# Altium PCB REFERENCE.PcbDoc (part 2 of 2) (continued)
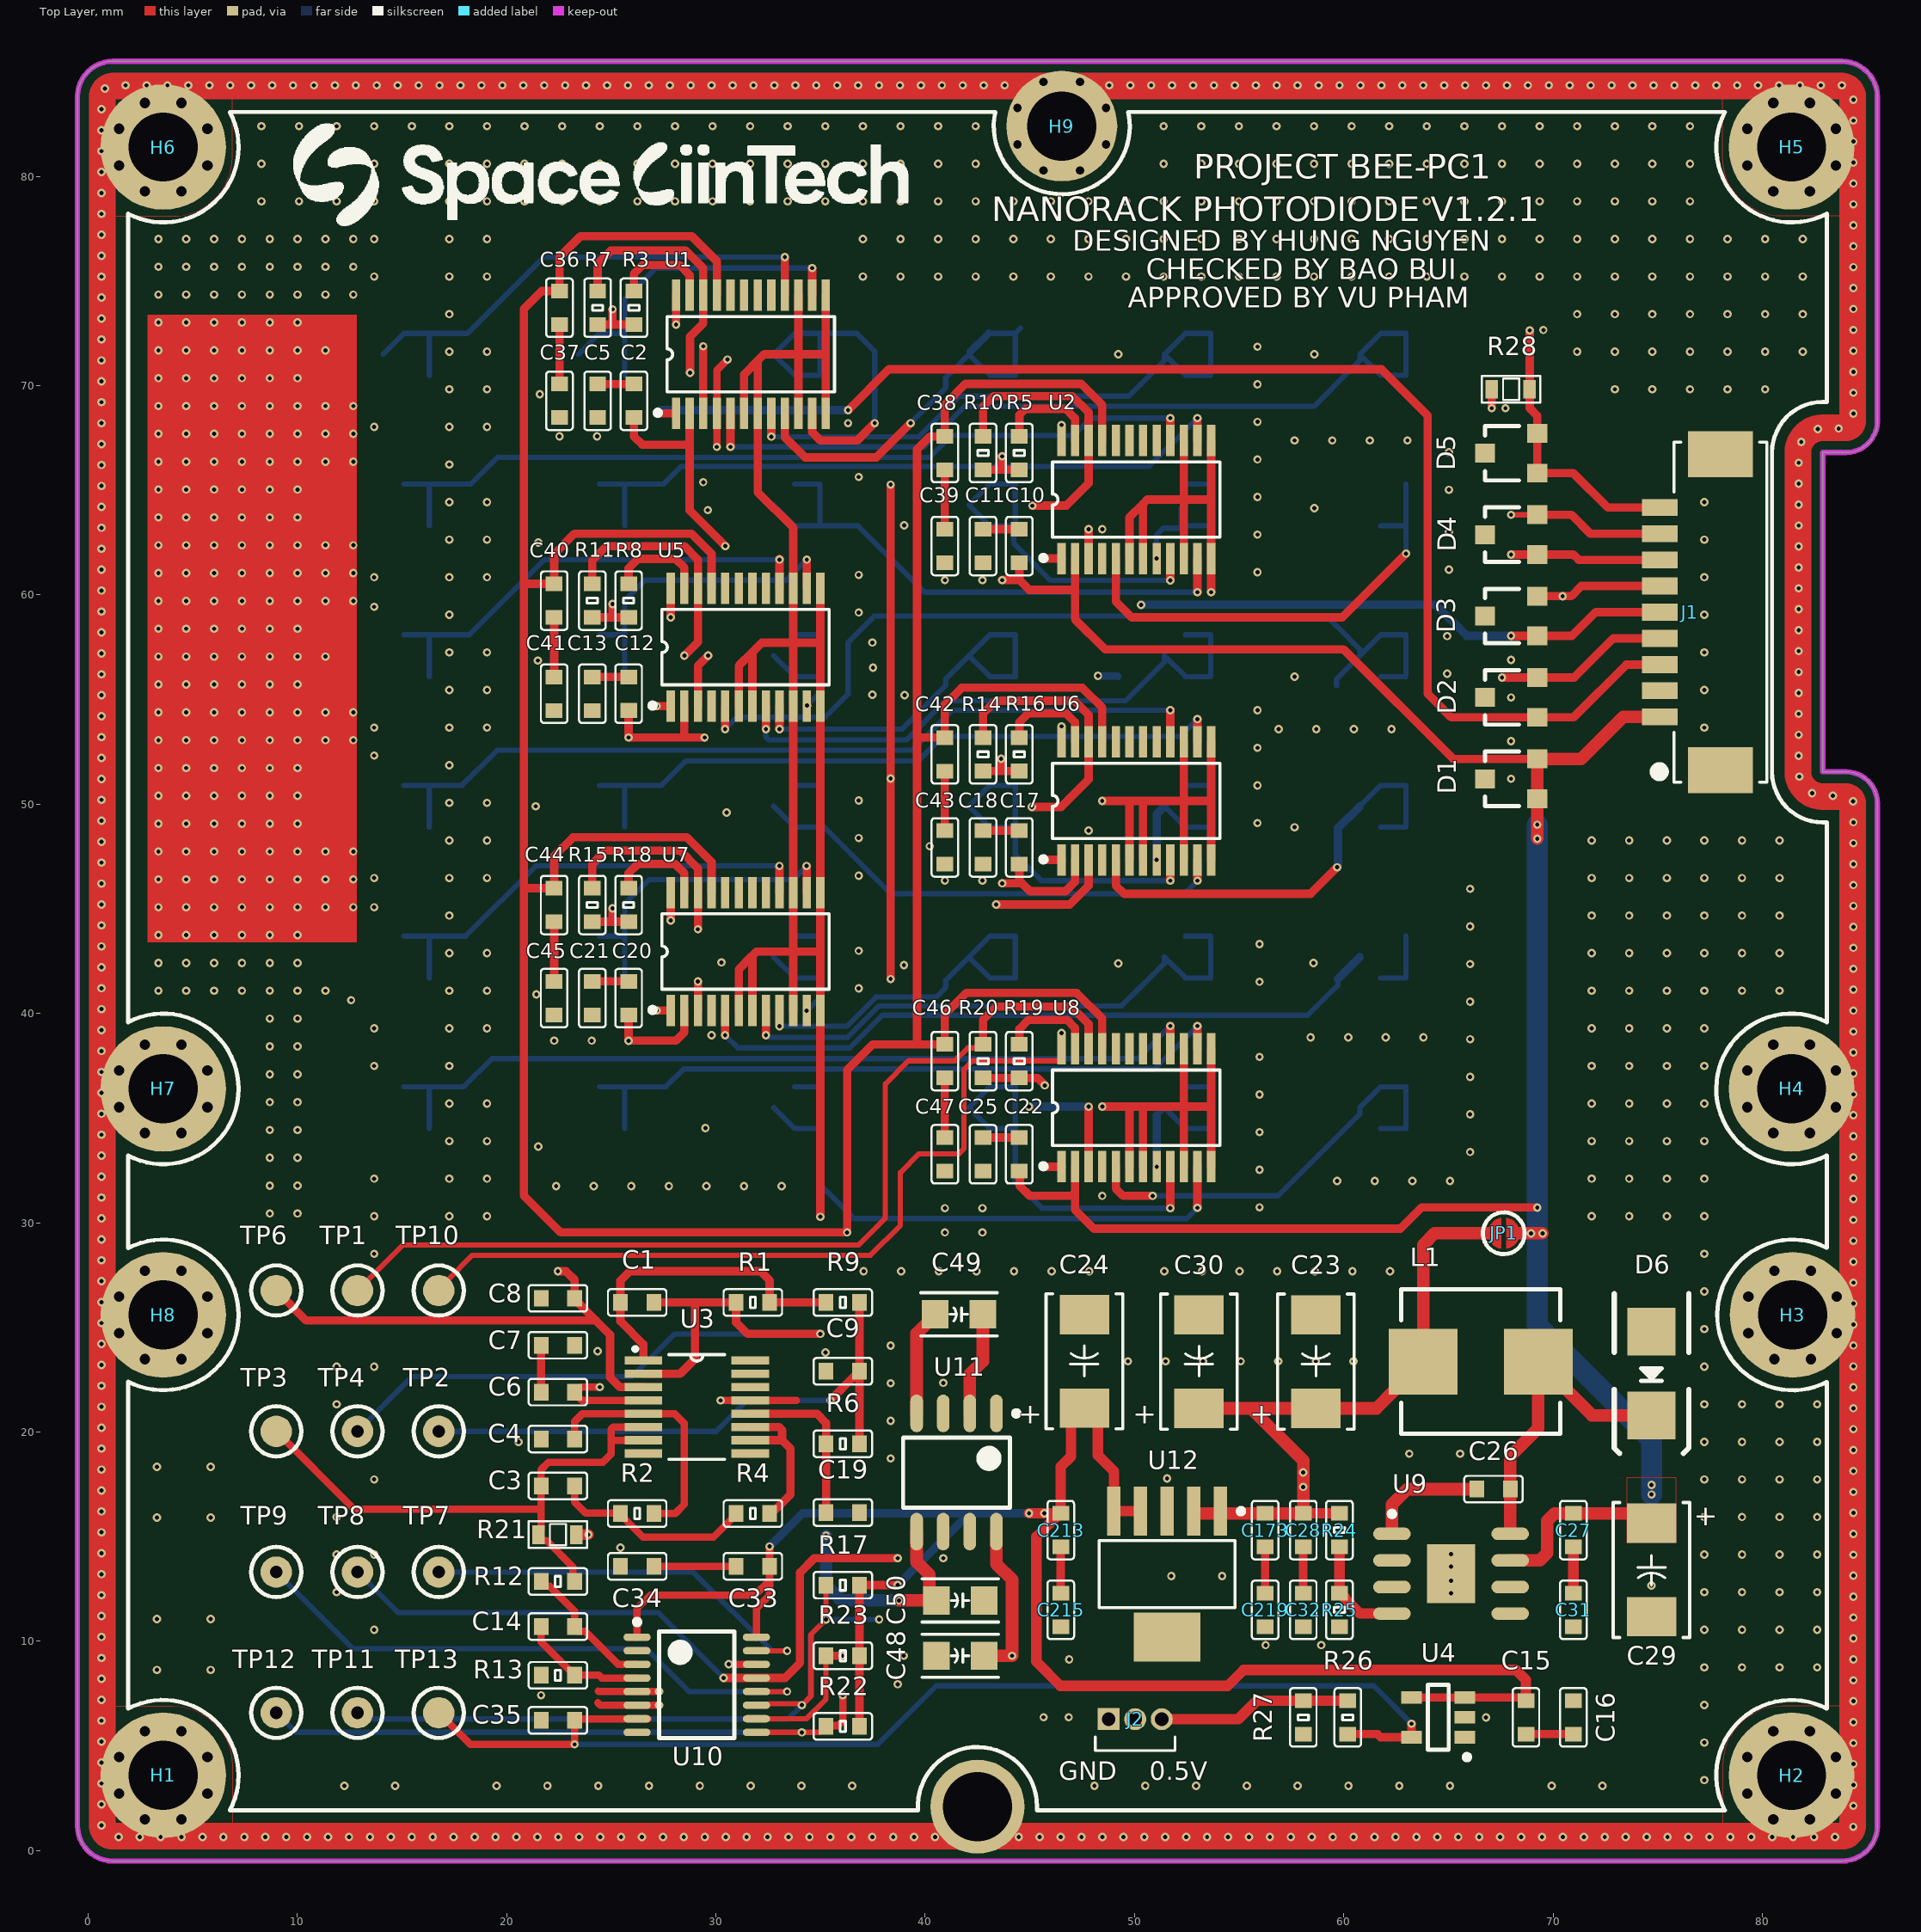
[diagram p0: Top Layer view]
## Nets (pads, with @x,y where several pads share a name; then routed paths per layer and width w, separated by ;. In a path a pad name is that pad's centre, name@x,y a point inside that pad or via, vN(x,y) a via of type N, cw(c..) or ccw(c..) an arc to the next point about the centre after c; other vN are vias at no path point) (continued)
  Mid-Layer 2 w1.27: 0.685,83.794 0.685,82.209 0.685,81.209 0.685,80.209 0.685,79.209 0.685,78.209 0.685,77.209 0.685,76.209 0.685,75.209 0.685,74.209 0.685,73.209 0.685,72.209 0.685,71.209 0.685,70.209 0.685,69.209 0.685,68.209 0.685,67.209 0.685,66.209 0.685,65.209 0.685,64.209 0.685,63.209 0.685,62.209 0.685,61.209 0.685,60.209 0.685,59.209 0.685,58.209 0.685,57.209 0.685,56.209 0.685,55.209 0.685,54.209 0.685,53.209 0.685,52.209 0.685,51.209 0.685,50.209 0.685,49.209 0.685,48.209 0.685,47.209 0.685,46.209 0.685,45.209 0.685,44.209 0.685,43.209 0.685,42.209 0.685,41.209 0.685,40.209 0.685,39.209 0.685,38.209 0.685,37.209 0.685,36.209 0.685,35.209 0.685,34.209 0.685,33.209 0.685,32.209 0.685,31.209 0.685,30.209 0.685,29.209 0.685,28.209 0.685,27.209 0.685,26.209 0.685,25.209 0.685,24.209 0.685,23.209 0.685,22.209 0.685,21.209 0.685,20.209 0.685,19.209 0.685,18.209 0.685,17.209 0.685,16.209 0.685,15.209 0.685,14.209 0.685,13.209 0.685,12.209 0.685,11.209 0.685,10.209 0.685,9.209 0.685,8.209 0.685,7.209 0.685,6.209 0.685,5.209 0.685,4.209 0.685,3.209 0.685,2.209 0.685,1.2 ccw(c1.2,1.2) 1.2,0.685 ; 0.685,83.8 cw(c1.2,83.8) 1.2,84.315 2.802,84.315 3.802,84.315 4.802,84.315 5.802,84.315 6.802,84.315 7.802,84.315 8.802,84.315 9.802,84.315 10.802,84.315 11.802,84.315 12.802,84.315 13.802,84.315 14.802,84.315 15.802,84.315 16.802,84.315 17.802,84.315 18.802,84.315 19.802,84.315 20.802,84.315 21.802,84.315 22.802,84.315 23.802,84.315 24.802,84.315 25.802,84.315 26.802,84.315 27.802,84.315 28.802,84.315 29.802,84.315 30.802,84.315 31.802,84.315 32.802,84.315 33.802,84.315 34.802,84.315 35.802,84.315 36.802,84.315 37.802,84.315 38.802,84.315 39.802,84.315 40.802,84.315 41.802,84.315 42.802,84.315 43.802,84.315 44.802,84.315 45.655,84.315 46.53,84.315 47.405,84.315 48.802,84.315 49.802,84.315 50.802,84.315 51.802,84.315 52.802,84.315 53.802,84.315 54.802,84.315 55.802,84.315 56.802,84.315 57.802,84.315 58.802,84.315 59.802,84.315 60.802,84.315 61.802,84.315 62.802,84.315 63.802,84.315 64.802,84.315 65.802,84.315 66.802,84.315 67.802,84.315 68.802,84.315 69.802,84.315 70.802,84.315 71.802,84.315 72.802,84.315 73.802,84.315 74.802,84.315 75.802,84.315 76.802,84.315 77.802,84.315 78.802,84.315 79.802,84.315 80.802,84.315 81.802,84.315 82.802,84.315 v2@83.794,84.315 ; 1.206,0.685 2.475,0.685 3.475,0.685 4.475,0.685 5.475,0.685 6.475,0.685 7.475,0.685 8.475,0.685 9.475,0.685 10.475,0.685 11.475,0.685 12.475,0.685 13.475,0.685 14.475,0.685 15.475,0.685 16.475,0.685 17.475,0.685 18.474,0.685 19.474,0.685 20.474,0.685 21.474,0.685 22.474,0.685 23.474,0.685 24.474,0.685 25.474,0.685 26.474,0.685 27.474,0.685 28.474,0.685 29.474,0.685 30.474,0.685 31.474,0.685 32.474,0.685 33.474,0.685 34.474,0.685 35.474,0.685 36.474,0.685 37.474,0.685 38.474,0.685 39.474,0.685 40.474,0.685 42.5,0.685 44.474,0.685 45.474,0.685 46.474,0.685 47.474,0.685 48.474,0.685 49.474,0.685 50.474,0.685 51.474,0.685 52.474,0.685 53.474,0.685 54.474,0.685 55.474,0.685 56.474,0.685 57.474,0.685 58.474,0.685 59.474,0.685 60.474,0.685 61.474,0.685 62.474,0.685 63.474,0.685 64.474,0.685 65.474,0.685 66.474,0.685 67.474,0.685 68.474,0.685 69.474,0.685 70.474,0.685 71.474,0.685 72.474,0.685 73.474,0.685 74.474,0.685 75.474,0.685 76.474,0.685 77.474,0.685 78.474,0.685 79.474,0.685 80.474,0.685 81.474,0.685 82.474,0.685 83.8,0.685 ccw(c83.8,1.2) v2@84.315,1.2 ; v2@83.8,84.315 cw(c83.8,83.8) 84.315,83.8 84.315,82.665 84.315,81.665 84.315,80.665 84.315,79.665 84.315,78.665 84.315,77.665 84.315,76.665 84.315,75.665 84.315,74.665 84.315,73.665 84.315,72.665 84.315,71.665 84.315,70.665 84.315,69.665 84.315,68.31 ; v2@84.315,1.204 84.315,2.139 84.315,3.139 84.315,4.139 84.315,5.139 84.315,6.139 84.315,7.139 84.315,8.139 84.315,9.139 84.315,10.139 84.315,11.139 84.315,12.139 84.315,13.139 84.315,14.139 84.315,15.139 84.315,16.139 84.315,17.139 84.315,18.139 84.315,19.139 84.315,20.139 84.315,21.139 84.315,22.139 84.315,23.139 84.315,24.139 84.315,25.139 84.315,26.139 84.315,27.139 84.315,28.139 84.315,29.139 84.315,30.139 84.315,31.139 84.315,32.139 84.315,33.139 84.315,34.139 84.315,35.139 84.315,36.139 84.315,37.139 84.315,38.139 84.315,39.139 84.315,40.139 84.315,41.139 84.315,42.139 84.315,43.139 84.315,44.139 84.315,45.139 84.315,46.139 84.315,47.139 84.315,48.139 84.315,49.139 84.315,50.05 ccw(c84,50.05) 84,50.365 82.886,50.365 cw(c82.886,51.55) 81.701,51.55 81.701,52.316 81.701,53.316 81.701,54.316 81.701,55.316 81.701,56.316 81.701,57.316 81.701,58.316 81.701,59.316 81.701,60.316 81.701,61.316 81.701,62.316 81.701,63.316 81.701,64.316 81.701,65.316 81.701,66.806 cw(c82.886,66.806) 82.886,67.991 84,67.991 ccw(c84,68.306) 84.315,68.306
  Bottom Layer w1.27: 0.685,83.794 0.685,82.209 0.685,81.209 0.685,80.209 0.685,79.209 0.685,78.209 0.685,77.209 0.685,76.209 0.685,75.209 0.685,74.209 0.685,73.209 0.685,72.209 0.685,71.209 0.685,70.209 0.685,69.209 0.685,68.209 0.685,67.209 0.685,66.209 0.685,65.209 0.685,64.209 0.685,63.209 0.685,62.209 0.685,61.209 0.685,60.209 0.685,59.209 0.685,58.209 0.685,57.209 0.685,56.209 0.685,55.209 0.685,54.209 0.685,53.209 0.685,52.209 0.685,51.209 0.685,50.209 0.685,49.209 0.685,48.209 0.685,47.209 0.685,46.209 0.685,45.209 0.685,44.209 0.685,43.209 0.685,42.209 0.685,41.209 0.685,40.209 0.685,39.209 0.685,38.209 0.685,37.209 0.685,36.209 0.685,35.209 0.685,34.209 0.685,33.209 0.685,32.209 0.685,31.209 0.685,30.209 0.685,29.209 0.685,28.209 0.685,27.209 0.685,26.209 0.685,25.209 0.685,24.209 0.685,23.209 0.685,22.209 0.685,21.209 0.685,20.209 0.685,19.209 0.685,18.209 0.685,17.209 0.685,16.209 0.685,15.209 0.685,14.209 0.685,13.209 0.685,12.209 0.685,11.209 0.685,10.209 0.685,9.209 0.685,8.209 0.685,7.209 0.685,6.209 0.685,5.209 0.685,4.209 0.685,3.209 0.685,2.209 0.685,1.2 ccw(c1.2,1.2) 1.2,0.685 ; 0.685,83.8 cw(c1.2,83.8) 1.2,84.315 2.802,84.315 3.802,84.315 4.802,84.315 5.802,84.315 6.802,84.315 7.802,84.315 8.802,84.315 9.802,84.315 10.802,84.315 11.802,84.315 12.802,84.315 13.802,84.315 14.802,84.315 15.802,84.315 16.802,84.315 17.802,84.315 18.802,84.315 19.802,84.315 20.802,84.315 21.802,84.315 22.802,84.315 23.802,84.315 24.802,84.315 25.802,84.315 26.802,84.315 27.802,84.315 28.802,84.315 29.802,84.315 30.802,84.315 31.802,84.315 32.802,84.315 33.802,84.315 34.802,84.315 35.802,84.315 36.802,84.315 37.802,84.315 38.802,84.315 39.802,84.315 40.802,84.315 41.802,84.315 42.802,84.315 43.802,84.315 44.802,84.315 45.655,84.315 46.53,84.315 47.405,84.315 48.802,84.315 49.802,84.315 50.802,84.315 51.802,84.315 52.802,84.315 53.802,84.315 54.802,84.315 55.802,84.315 56.802,84.315 57.802,84.315 58.802,84.315 59.802,84.315 60.802,84.315 61.802,84.315 62.802,84.315 63.802,84.315 64.802,84.315 65.802,84.315 66.802,84.315 67.802,84.315 68.802,84.315 69.802,84.315 70.802,84.315 71.802,84.315 72.802,84.315 73.802,84.315 74.802,84.315 75.802,84.315 76.802,84.315 77.802,84.315 78.802,84.315 79.802,84.315 80.802,84.315 81.802,84.315 82.802,84.315 v2@83.794,84.315 ; 1.206,0.685 2.475,0.685 3.475,0.685 4.475,0.685 5.475,0.685 6.475,0.685 7.475,0.685 8.475,0.685 9.475,0.685 10.475,0.685 11.475,0.685 12.475,0.685 13.475,0.685 14.475,0.685 15.475,0.685 16.475,0.685 17.475,0.685 18.474,0.685 19.474,0.685 20.474,0.685 21.474,0.685 22.474,0.685 23.474,0.685 24.474,0.685 25.474,0.685 26.474,0.685 27.474,0.685 28.474,0.685 29.474,0.685 30.474,0.685 31.474,0.685 32.474,0.685 33.474,0.685 34.474,0.685 35.474,0.685 36.474,0.685 37.474,0.685 38.474,0.685 39.474,0.685 40.474,0.685 42.5,0.685 44.474,0.685 45.474,0.685 46.474,0.685 47.474,0.685 48.474,0.685 49.474,0.685 50.474,0.685 51.474,0.685 52.474,0.685 53.474,0.685 54.474,0.685 55.474,0.685 56.474,0.685 57.474,0.685 58.474,0.685 59.474,0.685 60.474,0.685 61.474,0.685 62.474,0.685 63.474,0.685 64.474,0.685 65.474,0.685 66.474,0.685 67.474,0.685 68.474,0.685 69.474,0.685 70.474,0.685 71.474,0.685 72.474,0.685 73.474,0.685 74.474,0.685 75.474,0.685 76.474,0.685 77.474,0.685 78.474,0.685 79.474,0.685 80.474,0.685 81.474,0.685 82.474,0.685 83.8,0.685 ccw(c83.8,1.2) v2@84.315,1.2 ; v2@83.8,84.315 cw(c83.8,83.8) 84.315,83.8 84.315,82.665 84.315,81.665 84.315,80.665 84.315,79.665 84.315,78.665 84.315,77.665 84.315,76.665 84.315,75.665 84.315,74.665 84.315,73.665 84.315,72.665 84.315,71.665 84.315,70.665 84.315,69.665 84.315,68.31 ; v2@84.315,1.204 84.315,2.139 84.315,3.139 84.315,4.139 84.315,5.139 84.315,6.139 84.315,7.139 84.315,8.139 84.315,9.139 84.315,10.139 84.315,11.139 84.315,12.139 84.315,13.139 84.315,14.139 84.315,15.139 84.315,16.139 84.315,17.139 84.315,18.139 84.315,19.139 84.315,20.139 84.315,21.139 84.315,22.139 84.315,23.139 84.315,24.139 84.315,25.139 84.315,26.139 84.315,27.139 84.315,28.139 84.315,29.139 84.315,30.139 84.315,31.139 84.315,32.139 84.315,33.139 84.315,34.139 84.315,35.139 84.315,36.139 84.315,37.139 84.315,38.139 84.315,39.139 84.315,40.139 84.315,41.139 84.315,42.139 84.315,43.139 84.315,44.139 84.315,45.139 84.315,46.139 84.315,47.139 84.315,48.139 84.315,49.139 84.315,50.05 ccw(c84,50.05) 84,50.365 82.886,50.365 cw(c82.886,51.55) 81.701,51.55 81.701,52.316 81.701,53.316 81.701,54.316 81.701,55.316 81.701,56.316 81.701,57.316 81.701,58.316 81.701,59.316 81.701,60.316 81.701,61.316 81.701,62.316 81.701,63.316 81.701,64.316 81.701,65.316 81.701,66.806 cw(c82.886,66.806) 82.886,67.991 84,67.991 ccw(c84,68.306) 84.315,68.306
  other v2: 1.475,0.647 2.475,0.647 3.475,0.647 4.475,0.647 5.475,0.647 6.475,0.647 7.475,0.647 8.475,0.647 9.475,0.647 10.475,0.647 11.475,0.647 12.475,0.647 13.475,0.647 14.475,0.647 15.475,0.647 16.475,0.647 17.475,0.647 18.474,0.647 19.474,0.647 20.474,0.647 21.474,0.647 22.474,0.647 23.474,0.647 24.474,0.647 25.474,0.647 26.474,0.647 27.474,0.647 28.474,0.647 29.474,0.647 30.474,0.647 31.474,0.647 32.474,0.647 33.474,0.647 34.474,0.647 35.474,0.647 36.474,0.647 37.474,0.647 38.474,0.647 39.474,0.647 40.474,0.647 44.474,0.647 45.474,0.647 46.474,0.647 47.474,0.647 48.474,0.647 49.474,0.647 50.474,0.647 51.474,0.647 52.474,0.647 53.474,0.647 54.474,0.647 55.474,0.647 56.474,0.647 57.474,0.647 58.474,0.647 59.474,0.647 60.474,0.647 61.474,0.647 62.474,0.647 63.474,0.647 64.474,0.647 65.474,0.647 66.474,0.647 67.474,0.647 68.474,0.647 69.474,0.647 70.474,0.647 71.474,0.647 72.474,0.647 73.474,0.647 74.474,0.647 75.474,0.647 76.474,0.647 77.474,0.647 78.474,0.647 79.474,0.647 80.474,0.647 81.474,0.647 82.474,0.647 83.474,0.647 84.345,1.139 0.647,1.209 84.353,2.139 0.647,2.209 84.353,3.139 0.647,3.209 84.353,4.139 0.647,4.209 84.353,5.139 0.647,5.209 84.353,6.139 0.647,6.209 84.353,7.139 0.647,7.209 84.353,8.139 0.647,8.209 84.353,9.139 0.647,9.209 84.353,10.139 0.647,10.209 84.353,11.139 0.647,11.209 84.353,12.139 0.647,12.209 84.353,13.139 0.647,13.209 84.353,14.139 0.647,14.209 84.353,15.139 0.647,15.209 84.353,16.139 0.647,16.209 84.353,17.139 0.647,17.209 84.353,18.139 0.647,18.209 84.353,19.139 0.647,19.209 84.353,20.139 0.647,20.209 84.353,21.139 0.647,21.209 84.353,22.139 0.647,22.209 84.353,23.139 0.647,23.209 84.353,24.139 0.647,24.209 84.353,25.139 0.647,25.209 84.353,26.139 0.647,26.209 84.353,27.139 0.647,27.209 84.353,28.139 0.647,28.209 84.353,29.139 0.647,29.209 84.353,30.139 0.647,30.209 84.353,31.139 0.647,31.209 84.353,32.139 0.647,32.209 84.353,33.139 0.647,33.209 84.353,34.139 0.647,34.209 84.353,35.139 0.647,35.209 84.353,36.139 0.647,36.209 84.353,37.139 0.647,37.209 84.353,38.139 0.647,38.209 84.353,39.139 0.647,39.209 84.353,40.139 0.647,40.209 84.353,41.139 0.647,41.209 84.353,42.139 0.647,42.209 84.353,43.139 0.647,43.209 84.353,44.139 0.647,44.209 84.353,45.139 0.647,45.209 84.353,46.139 0.647,46.209 84.353,47.139 0.647,47.209 84.353,48.139 0.647,48.209 84.353,49.139 0.647,49.209 84.337,50.139 0.647,50.209 83.373,50.402 82.381,50.526 0.647,51.209 81.768,51.317 0.647,52.209 81.739,52.316 0.647,53.209 81.739,53.316 0.647,54.209 81.739,54.316 0.647,55.209 81.739,55.316 0.647,56.209 81.739,56.316 0.647,57.209 81.739,57.316 0.647,58.209 81.739,58.316 0.647,59.209 81.739,59.316 0.647,60.209 81.739,60.316 0.647,61.209 81.739,61.316 0.647,62.209 81.739,62.316 0.647,63.209 81.739,63.316 0.647,64.209 81.739,64.316 0.647,65.209 81.739,65.316 0.647,66.209 81.739,66.316 0.647,67.209 81.862,67.309 82.65,67.923 83.65,67.953 0.647,68.209 84.353,68.665 0.647,69.209 84.353,69.665 0.647,70.209 84.353,70.665 0.647,71.209 84.353,71.665 0.647,72.209 84.353,72.665 0.647,73.209 84.353,73.665 0.647,74.209 84.353,74.665 0.647,75.209 84.353,75.665 0.647,76.209 84.353,76.665 0.647,77.209 84.353,77.665 0.647,78.209 84.353,78.665 0.647,79.209 84.353,79.665 0.647,80.209 84.353,80.665 0.647,81.209 84.353,81.665 0.647,82.209 84.353,82.665 0.647,83.209 84.353,83.665 0.814,84.195 1.802,84.353 2.802,84.353 3.802,84.353 4.802,84.353 5.802,84.353 6.802,84.353 7.802,84.353 8.802,84.353 9.802,84.353 10.802,84.353 11.802,84.353 12.802,84.353 13.802,84.353 14.802,84.353 15.802,84.353 16.802,84.353 17.802,84.353 18.802,84.353 19.802,84.353 20.802,84.353 21.802,84.353 22.802,84.353 23.802,84.353 24.802,84.353 25.802,84.353 26.802,84.353 27.802,84.353 28.802,84.353 29.802,84.353 30.802,84.353 31.802,84.353 32.802,84.353 33.802,84.353 34.802,84.353 35.802,84.353 36.802,84.353 37.802,84.353 38.802,84.353 39.802,84.353 40.802,84.353 41.802,84.353 42.802,84.353 43.802,84.353 48.802,84.353 49.802,84.353 50.802,84.353 51.802,84.353 52.802,84.353 53.802,84.353 54.802,84.353 55.802,84.353 56.802,84.353 57.802,84.353 58.802,84.353 59.802,84.353 60.802,84.353 61.802,84.353 62.802,84.353 63.802,84.353 64.802,84.353 65.802,84.353 66.802,84.353 67.802,84.353 68.802,84.353 69.802,84.353 70.802,84.353 71.802,84.353 72.802,84.353 73.802,84.353 74.802,84.353 75.802,84.353 76.802,84.353 77.802,84.353 78.802,84.353 79.802,84.353 80.802,84.353 81.802,84.353 82.802,84.353 83.802,84.353
SW_CS: D3.3 J1.6 TP10.1 U1.24 U2.24 U5.24 U6.24 U7.24 U8.24 | length 178.1
  Top Layer w0.254: TP10.1@17.157,27.233 18.372,28.448 37.389,28.448 38.822,29.881 38.822,32.402 39.719,33.298 41.617,33.298 41.86,33.541 41.86,37.338 42.265,37.743 46.442,37.743 46.515,37.816 U8.24@46.515,38.319
  Top Layer w0.4: v1(27.847,44.45) U7.24@27.847,45.781 ; v1(27.847,58.93) U5.24@27.847,60.325 ; v1(28.101,72.924) U1.24@28.101,74.319 ; D3.3@69.248,59.943 70.875,59.943 71.358,60.425 J1.6@75.095,60.425
  Mid-Layer 2 w0.4: v1(27.847,44.45) v1(27.847,58.93) 28.101,59.184 28.101,69.574 ; v1(46.515,39.062) v1(46.515,53.724) v1(46.515,68.124) 45.065,69.574 28.101,69.574 ; v1@70.46,59.943 70.46,69.494 67.03,72.924 v1(28.101,72.924) 28.101,69.574
  other v1: 70.46,59.936
VREF_ADC: C35.2 R26.1 TP13.1 U4.5 U10.7 | length 57
  Top Layer w0.35: TP13.1@16.764,6.587 18.271,5.08 v1(23.255,5.08) C35.2@23.255,6.226 23.311,6.283 U10.7@26.762,6.283
  Top Layer w0.4: 60.597,5.567 61.616,5.567 61.766,5.417 U4.5@63.241,5.417 v1(63.241,6.067)
  Bottom Layer w0.254: v1(23.255,5.08) 37.738,5.08 40.532,7.874 61.434,7.874 v1(63.241,6.067)
VREF_PD: C8.2 J2.2 TP6.1 U3.3 | length 75.2
  Top Layer w0.4: TP6.1@9,26.763 10.434,25.328 24.268,25.328 ; v1(22.455,27.686) 22.843,27.686 23.255,27.274 23.255,26.342 24.268,25.328 ; U3.3@26.54,22.148 25.418,22.148 24.946,22.62 24.946,24.651 24.268,25.328
  Mid-Layer 2 w0.4: v1(22.455,27.686) 22.455,7.919 25.802,4.572 37.23,4.572 40.532,7.874 44.306,7.874 44.765,7.415 49.71,7.415 50.038,7.087 J2.2@50.038,6.282
pads on no net: J1.10 J1.11 PD1.3 PD2.3 PD3.3 PD4.3 PD5.3 PD6.3 PD7.3 PD8.3 PD9.3 PD10.3 PD11.3 PD12.3 PD13.3 PD14.3 PD15.3 PD16.3 PD17.3 PD18.3 PD19.3 PD20.3 PD21.3 PD22.3 PD23.3 PD24.3 PD25.3 PD26.3 PD27.3 PD28.3 PD29.3 PD30.3 PD31.3 PD32.3 PD33.3 PD34.3 PD35.3 PD36.3 U1.17 U1.18 U1.19 U1.20 U2.17 U2.18 U2.19 U2.20 U3.8 U3.9 U3.14 U3.15 U3.16 U4.1 U5.17 U5.18 U5.19 U5.20 U6.17 U6.18 U6.19 U6.20 U7.17 U7.18 U7.19 U7.20 U8.17 U8.18 U8.19 U8.20 U9.2 U9.3 U9.5 U10.2 U10.8 U11.1 U11.7

## Polygon pours and split planes (outlines as drawn)
GND on Top Layer "NONET_L-01_P-001" (solid, shelved, pour order 38): -0.5,1.2 -0.5,83.8 -0.5,83.806 cw(c1.2,83.8) 1.2,85.5 83.8,85.5 83.806,85.5 cw(c83.8,83.8) 85.5,83.8 85.5,68.306 85.5,68.301 cw(c84,68.306) 84,66.806 82.886,66.806 82.886,51.55 84,51.55 cw(c84,50.05) 85.5,50.05 85.5,1.2 85.5,1.196 cw(c83.8,1.2) 83.8,-0.5 1.2,-0.5 1.194,-0.5 cw(c1.2,1.2)
SHIELD on Top Layer "NONET_L01_P-001" (solid, shelved, pour order 9): 78.1,4.071 78.1,0.647 84.353,0.647 84.353,6.9 80.929,6.9 ccw(c80.929,4.071)
12V_EXP on Top Layer "NONET_L01_P-001" (solid, shelved, pour order 5): 73.525,14.707 75.887,14.707 75.887,17.822 73.525,17.822
SHIELD on Top Layer "NONET_L01_P-001" (solid, shelved, pour order 12): 6.9,4.071 6.9,0.647 0.647,0.647 0.647,6.9 4.071,6.9 cw(c4.071,4.071)
SHIELD on Top Layer "NONET_L01_P-001" (solid, shelved, pour order 11): 6.9,80.929 6.9,84.353 0.647,84.353 0.647,78.1 4.071,78.1 ccw(c4.071,80.929)
SHIELD on Top Layer "NONET_L01_P-001" (solid, shelved, pour order 10): 78.1,80.929 78.1,84.353 84.353,84.353 84.353,78.1 80.929,78.1 cw(c80.929,80.929)
GND on Mid-Layer 1 "NONET_L-01_P-001" (solid, shelved, pour order 35): -0.5,1.2 -0.5,83.8 -0.5,83.806 cw(c1.2,83.8) 1.2,85.5 83.8,85.5 83.806,85.5 cw(c83.8,83.8) 85.5,83.8 85.5,68.306 85.5,68.301 cw(c84,68.306) 84,66.806 82.886,66.806 82.886,51.55 84,51.55 cw(c84,50.05) 85.5,50.05 85.5,1.2 85.5,1.196 cw(c83.8,1.2) 83.8,-0.5 1.2,-0.5 1.194,-0.5 cw(c1.2,1.2)
SHIELD on Mid-Layer 1 "NONET_L01_P-001" (solid, shelved, pour order 6): 6.9,80.929 6.9,84.353 0.647,84.353 0.647,78.1 4.071,78.1 ccw(c4.071,80.929)
SHIELD on Mid-Layer 1 "NONET_L01_P-001" (solid, shelved, pour order 4): 6.9,4.071 6.9,0.647 0.647,0.647 0.647,6.9 4.071,6.9 cw(c4.071,4.071)
SHIELD on Mid-Layer 1 "NONET_L01_P-001" (solid, shelved, pour order 2): 78.1,80.929 78.1,84.353 84.353,84.353 84.353,78.1 80.929,78.1 cw(c80.929,80.929)
SHIELD on Mid-Layer 1 "NONET_L01_P-001" (solid, shelved, pour order 0): 78.1,4.071 78.1,0.647 84.353,0.647 84.353,6.9 80.929,6.9 ccw(c80.929,4.071)
GND on Mid-Layer 2 "NONET_L03_P036" (solid, shelved, pour order 36): -0.5,1.2 -0.5,83.8 -0.5,83.806 cw(c1.2,83.8) 1.2,85.5 83.8,85.5 83.806,85.5 cw(c83.8,83.8) 85.5,83.8 85.5,68.306 85.5,68.301 cw(c84,68.306) 84,66.806 82.886,66.806 82.886,51.55 84,51.55 cw(c84,50.05) 85.5,50.05 85.5,1.2 85.5,1.196 cw(c83.8,1.2) 83.8,-0.5 1.2,-0.5 1.194,-0.5 cw(c1.2,1.2)
SHIELD on Mid-Layer 2 "NONET_L01_P-001" (solid, shelved, pour order 19): 6.9,4.071 6.9,0.647 0.647,0.647 0.647,6.9 4.071,6.9 cw(c4.071,4.071)
SHIELD on Mid-Layer 2 "NONET_L01_P-001" (solid, shelved, pour order 18): 78.1,4.071 78.1,0.647 84.353,0.647 84.353,6.9 80.929,6.9 ccw(c80.929,4.071)
SHIELD on Mid-Layer 2 "NONET_L01_P-001" (solid, shelved, pour order 7): 78.1,80.929 78.1,84.353 84.353,84.353 84.353,78.1 80.929,78.1 cw(c80.929,80.929)
SHIELD on Mid-Layer 2 "NONET_L01_P-001" (solid, shelved, pour order 3): 6.9,80.929 6.9,84.353 0.647,84.353 0.647,78.1 4.071,78.1 ccw(c4.071,80.929)
GND on Bottom Layer "NONET_L04_P037" (solid, shelved, pour order 37): -0.5,1.2 -0.5,83.8 -0.5,83.806 cw(c1.2,83.8) 1.2,85.5 83.8,85.5 83.806,85.5 cw(c83.8,83.8) 85.5,83.8 85.5,68.306 85.5,68.301 cw(c84,68.306) 84,66.806 82.886,66.806 82.886,51.55 84,51.55 cw(c84,50.05) 85.5,50.05 85.5,1.2 85.5,1.196 cw(c83.8,1.2) 83.8,-0.5 1.2,-0.5 1.194,-0.5 cw(c1.2,1.2)
SHIELD on Bottom Layer "NONET_L01_P-001" (solid, shelved, pour order 31): 80.929,78.1 84.353,78.1 84.353,84.353 78.1,84.353 78.1,80.929 ccw(c80.929,80.929)
SHIELD on Bottom Layer "NONET_L01_P-001" (solid, shelved, pour order 30): 78.1,4.071 78.1,0.647 84.353,0.647 84.353,6.9 80.929,6.9 ccw(c80.929,4.071)
SHIELD on Bottom Layer "NONET_L01_P-001" (solid, shelved, pour order 29): 6.9,4.071 6.9,0.647 0.647,0.647 0.647,6.9 4.071,6.9 cw(c4.071,4.071)
SHIELD on Bottom Layer "NONET_L01_P-001" (solid, shelved, pour order 17): 6.9,80.929 6.9,84.353 0.647,84.353 0.647,78.1 4.071,78.1 ccw(c4.071,80.929)
SHIELD on Bottom Solder "NONET_L01_P-001" (solid, shelved, pour order 13): 6.9,4.071 6.9,0.647 0.647,0.647 0.647,6.9 4.071,6.9 cw(c4.071,4.071)
SHIELD on Bottom Solder "NONET_L01_P-001" (solid, shelved, pour order 8): 6.9,80.929 6.9,84.353 0.647,84.353 0.647,78.1 4.071,78.1 ccw(c4.071,80.929)
SHIELD on Bottom Solder "NONET_L01_P-001" (solid, shelved, pour order 16): 80.929,78.1 84.353,78.1 84.353,84.353 78.1,84.353 78.1,80.929 ccw(c80.929,80.929)
SHIELD on Bottom Solder "NONET_L01_P-001" (solid, shelved, pour order 15): 78.1,4.071 78.1,0.647 84.353,0.647 84.353,6.9 80.929,6.9 ccw(c80.929,4.071)
SHIELD on Top Solder "NONET_L01_P-001" (solid, shelved, pour order 21): 6.9,80.929 6.9,84.353 0.647,84.353 0.647,78.1 4.071,78.1 ccw(c4.071,80.929)
SHIELD on Top Solder "NONET_L01_P-001" (solid, shelved, pour order 22): 6.9,4.071 6.9,0.647 0.647,0.647 0.647,6.9 4.071,6.9 cw(c4.071,4.071)
SHIELD on Top Solder "NONET_L01_P-001" (solid, shelved, pour order 23): 78.1,4.071 78.1,0.647 84.353,0.647 84.353,6.9 80.929,6.9 ccw(c80.929,4.071)
SHIELD on Top Solder "NONET_L01_P-001" (solid, shelved, pour order 24): 80.929,78.1 84.353,78.1 84.353,84.353 78.1,84.353 78.1,80.929 ccw(c80.929,80.929)

## Keep-outs
Keep-Out Layer:
  lines w0.254: -0.5,83.8 -0.5,1.2 ccw(c1.2,1.2) 1.194,-0.5 ; -0.5,83.806 cw(c1.2,83.8) 1.2,85.5 83.8,85.5 ; 1.2,-0.5 83.8,-0.5 ccw(c83.8,1.2) 85.5,1.196 ; 83.806,85.5 cw(c83.8,83.8) 85.5,83.8 85.5,68.306 ; 85.5,1.2 85.5,50.05 ccw(c84,50.05) 84,51.55 82.886,51.55 82.886,66.806 84,66.806 ccw(c84,68.306) 85.5,68.301

## Other copper
Top Layer:
  rectangle net GND: 2.855,43.394 12.855,73.394
  pour cut-out: 42.5,-1.133 cw(c42.5,2.1) 39.267,2.1 cw(c42.5,2.1) 42.5,5.333 cw(c42.5,2.1) 45.733,2.1 cw(c42.5,2.1)
  pour cut-out: 46.53,79.167 cw(c46.53,82.4) 43.297,82.4 cw(c46.53,82.4) 46.53,85.633 cw(c46.53,82.4) 49.763,82.4 cw(c46.53,82.4)
Mid-Layer 1:
  pour cut-out: 42.5,-1.133 cw(c42.5,2.1) 39.267,2.1 cw(c42.5,2.1) 42.5,5.333 cw(c42.5,2.1) 45.733,2.1 cw(c42.5,2.1)
  pour cut-out: 46.53,79.167 cw(c46.53,82.4) 43.297,82.4 cw(c46.53,82.4) 46.53,85.633 cw(c46.53,82.4) 49.763,82.4 cw(c46.53,82.4)
Mid-Layer 2:
  pour cut-out: 42.5,-1.133 cw(c42.5,2.1) 39.267,2.1 cw(c42.5,2.1) 42.5,5.333 cw(c42.5,2.1) 45.733,2.1 cw(c42.5,2.1)
  pour cut-out: 46.53,79.167 cw(c46.53,82.4) 43.297,82.4 cw(c46.53,82.4) 46.53,85.633 cw(c46.53,82.4) 49.763,82.4 cw(c46.53,82.4)
Bottom Layer:
  pour cut-out: 42.5,-1.133 cw(c42.5,2.1) 39.267,2.1 cw(c42.5,2.1) 42.5,5.333 cw(c42.5,2.1) 45.733,2.1 cw(c42.5,2.1)
  pour cut-out: 46.53,79.167 cw(c46.53,82.4) 43.297,82.4 cw(c46.53,82.4) 46.53,85.633 cw(c46.53,82.4) 49.763,82.4 cw(c46.53,82.4)

## Silkscreen, mask and mechanical layers (free items; w line width, h text height)
Top Overlay:
  drawing of 304 lines, arcs and shapes, not listed
  text "PROJECT BEE-PC1" at 52.832,79.502 h2
  text "NANORACK PHOTODIODE V1.2.1" at 43.18,77.47 h2
  text "DESIGNED BY HUNG NGUYEN" at 47.037,76.115 h1.7
  text "CHECKED BY BAO BUI" at 50.548,74.761 h1.7
  text "APPROVED BY VU PHAM" at 49.684,73.406 h1.7
  text "+" at 44.45,20.407 h1
  text "+" at 49.924,20.396 h1
  text "+" at 55.512,20.396 h1
  text "+" at 77.868,16.384 h1 r180
  text "GND    0.5V" at 46.396,3.068 h1.52
Bottom Overlay:
  drawing of 371 lines, arcs and shapes, not listed